# Altium PCB SP7.PcbDoc (part 1 of 4)
Units mm, origin at the board's own origin, x right, y up, seen from the top; angles counter-clockwise.
Board outline 69.1 x 36.6 mm, 6 copper layers (Top, 02_GND, 03_SIG, 04_PWR, 05_SIG, Bottom), stack 1.443 mm thick; 199 components, 178 nets, 906 pads, 778 vias.
Unrouted connection lines stored in the file: 1.
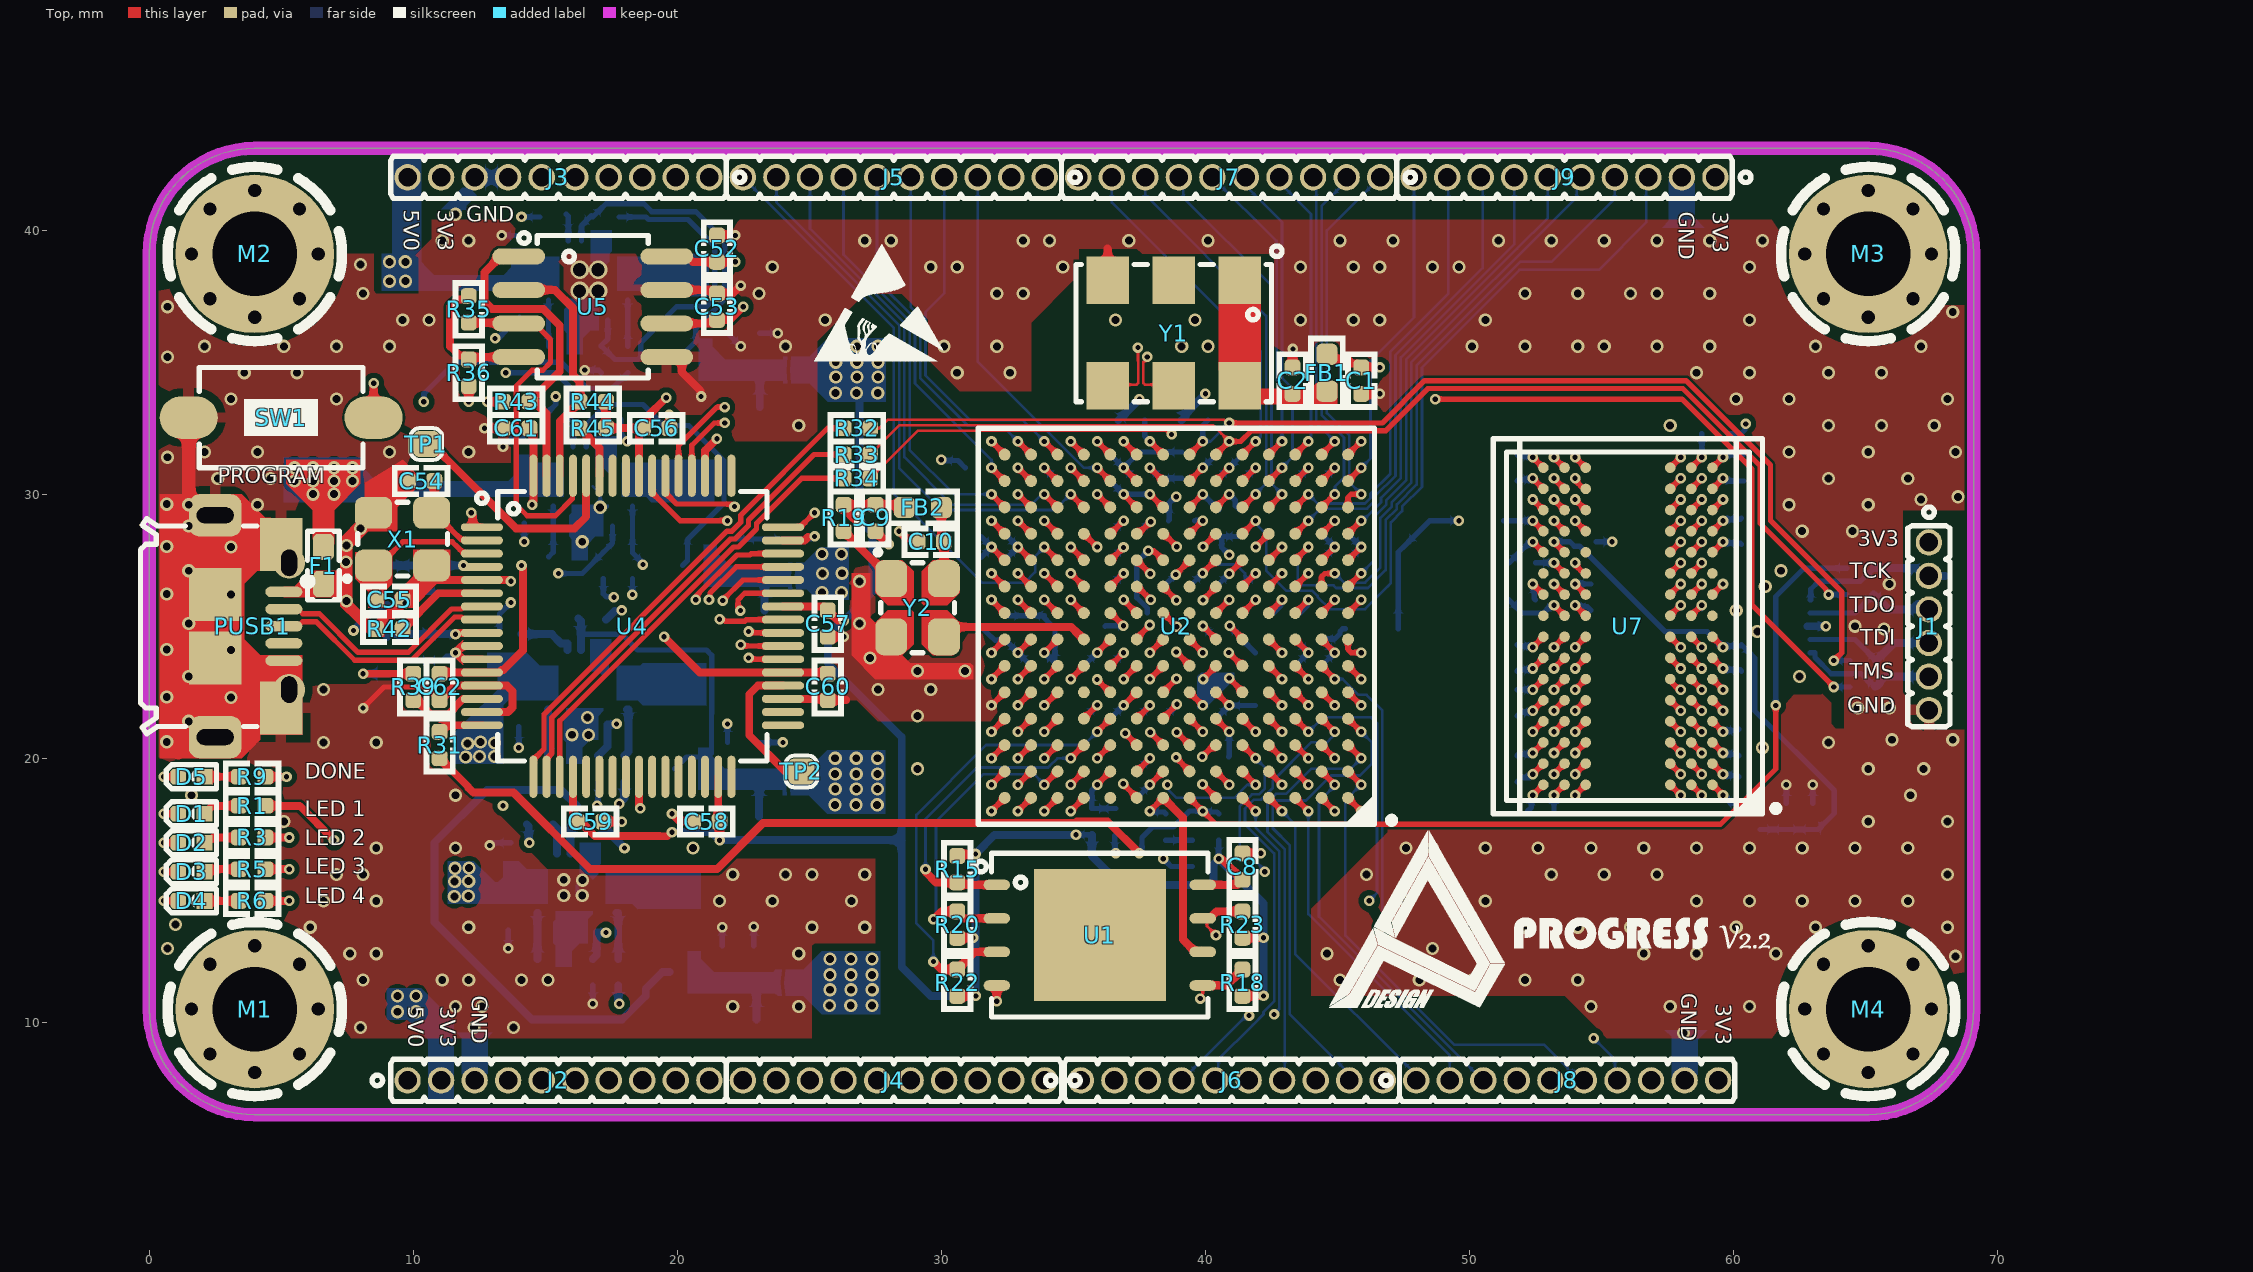
[diagram p0: Top view]
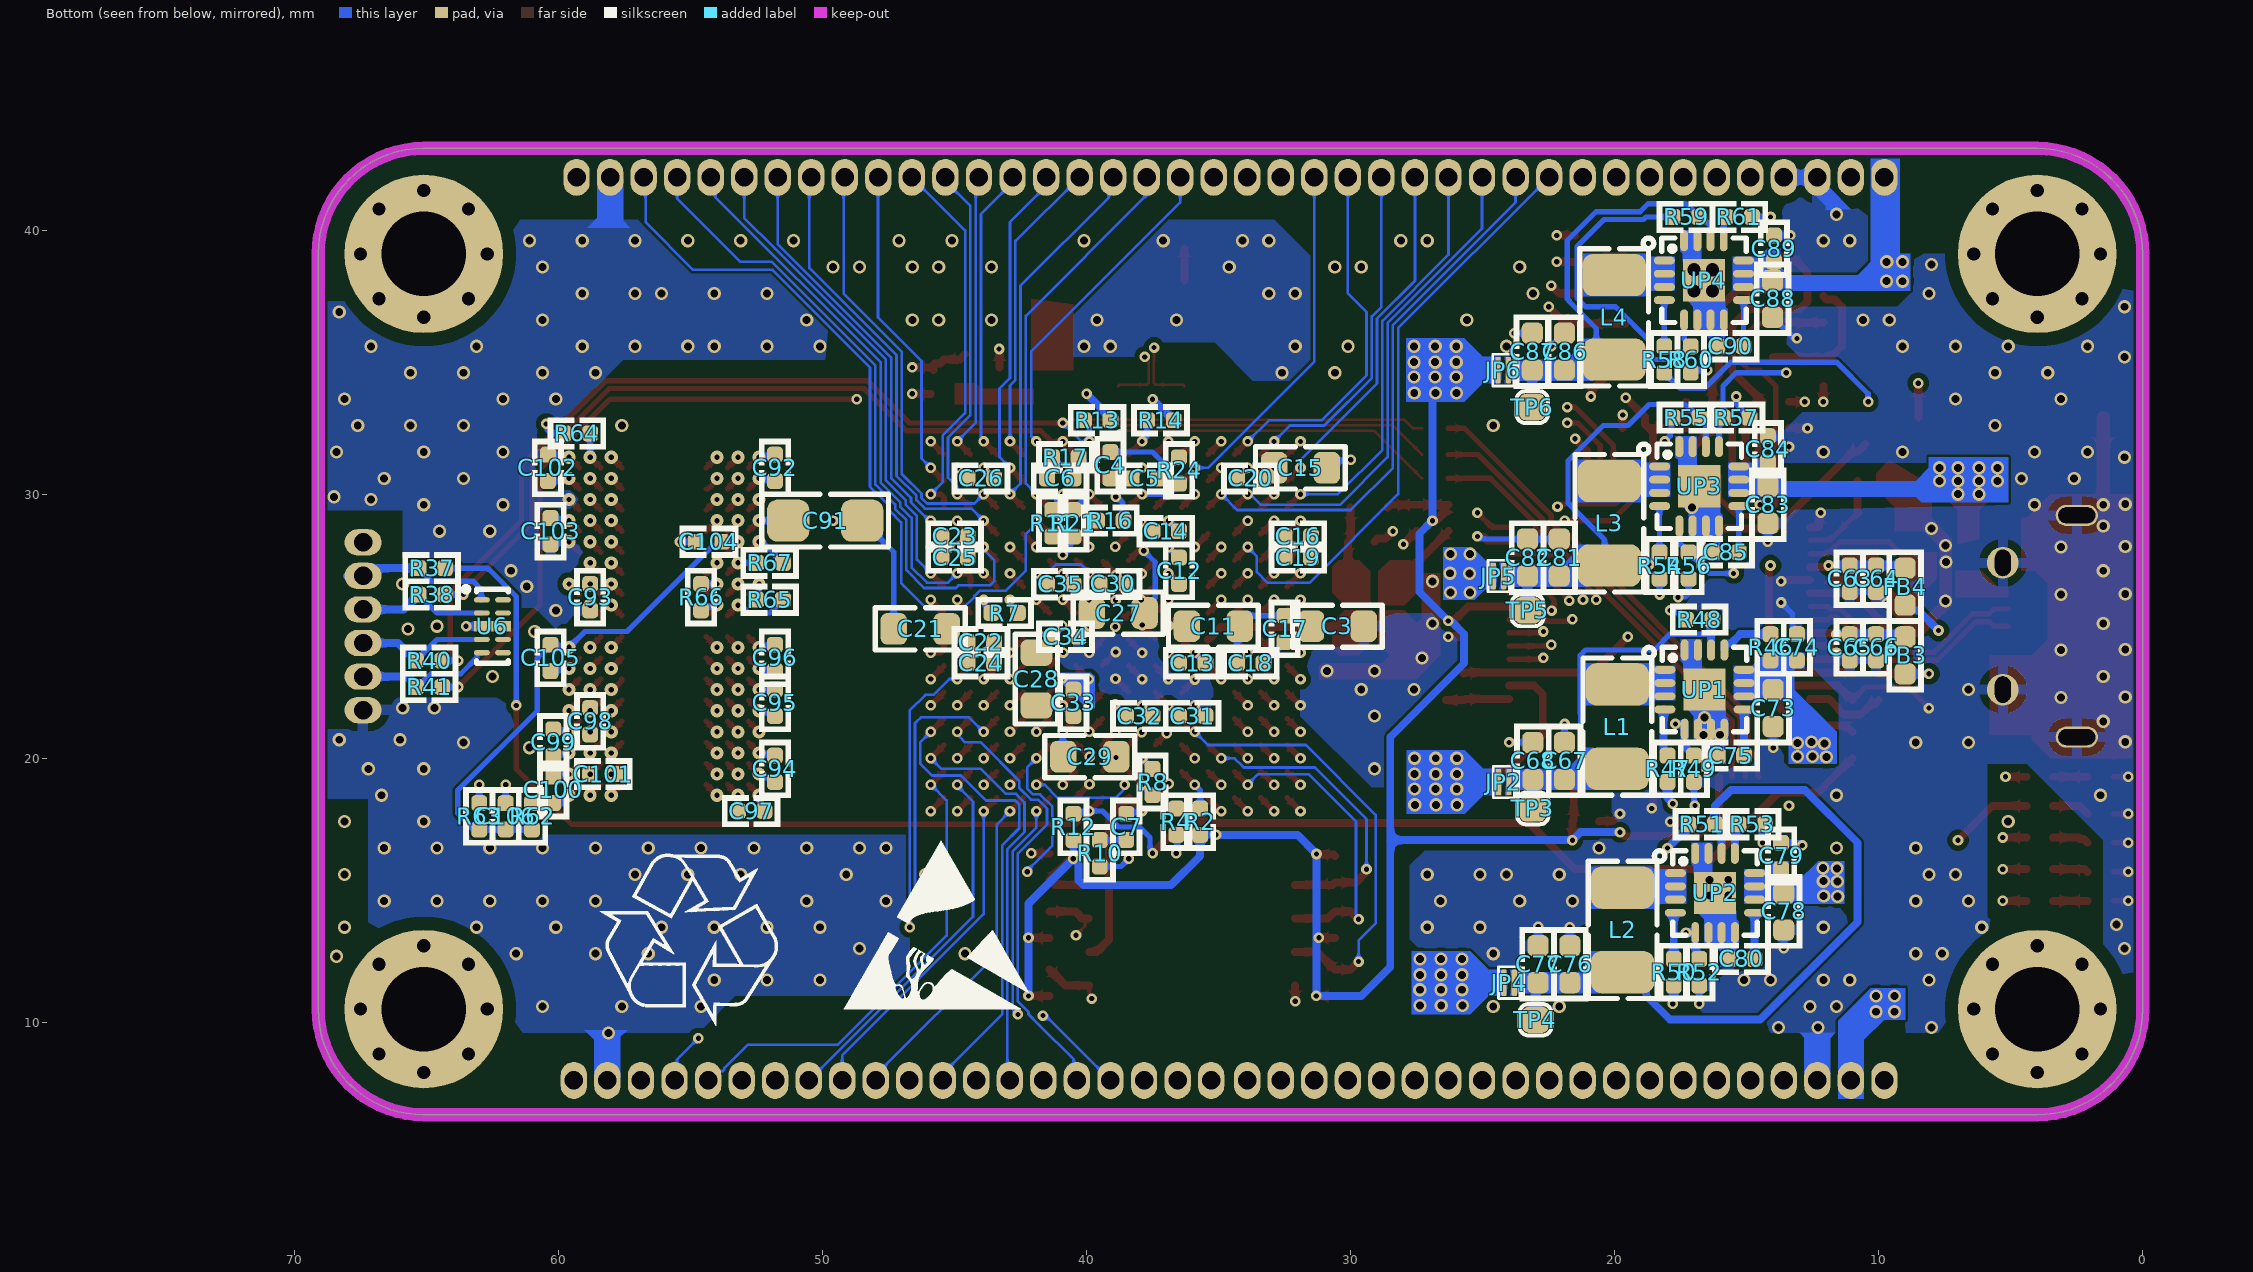
[diagram p1: Bottom view, seen from below]
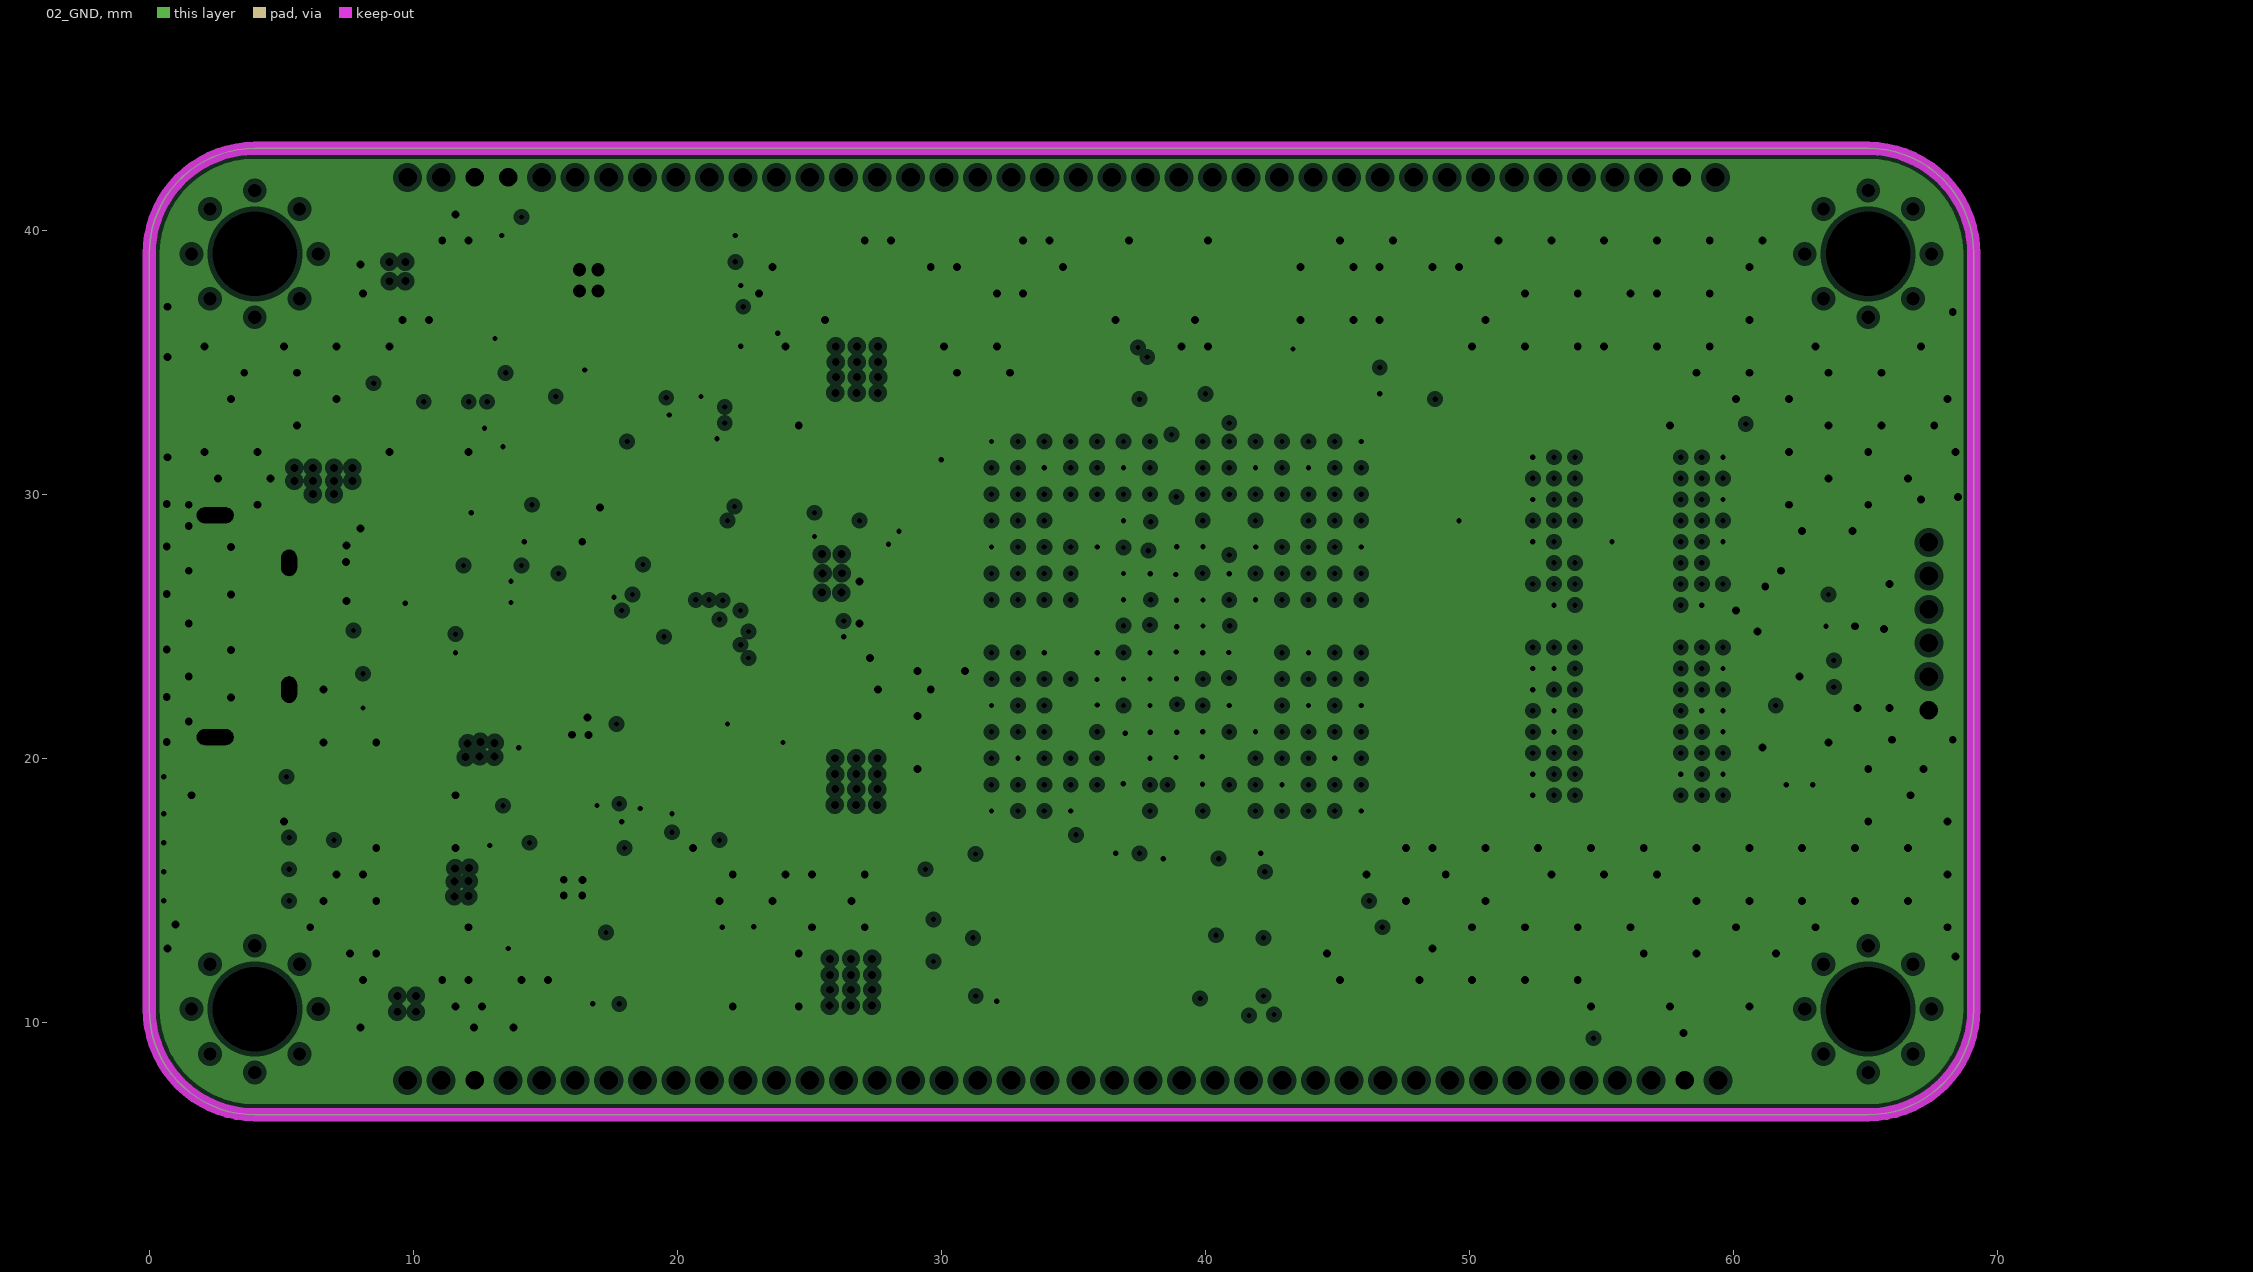
[diagram p2: 02_GND, clearances drawn from the general rule]
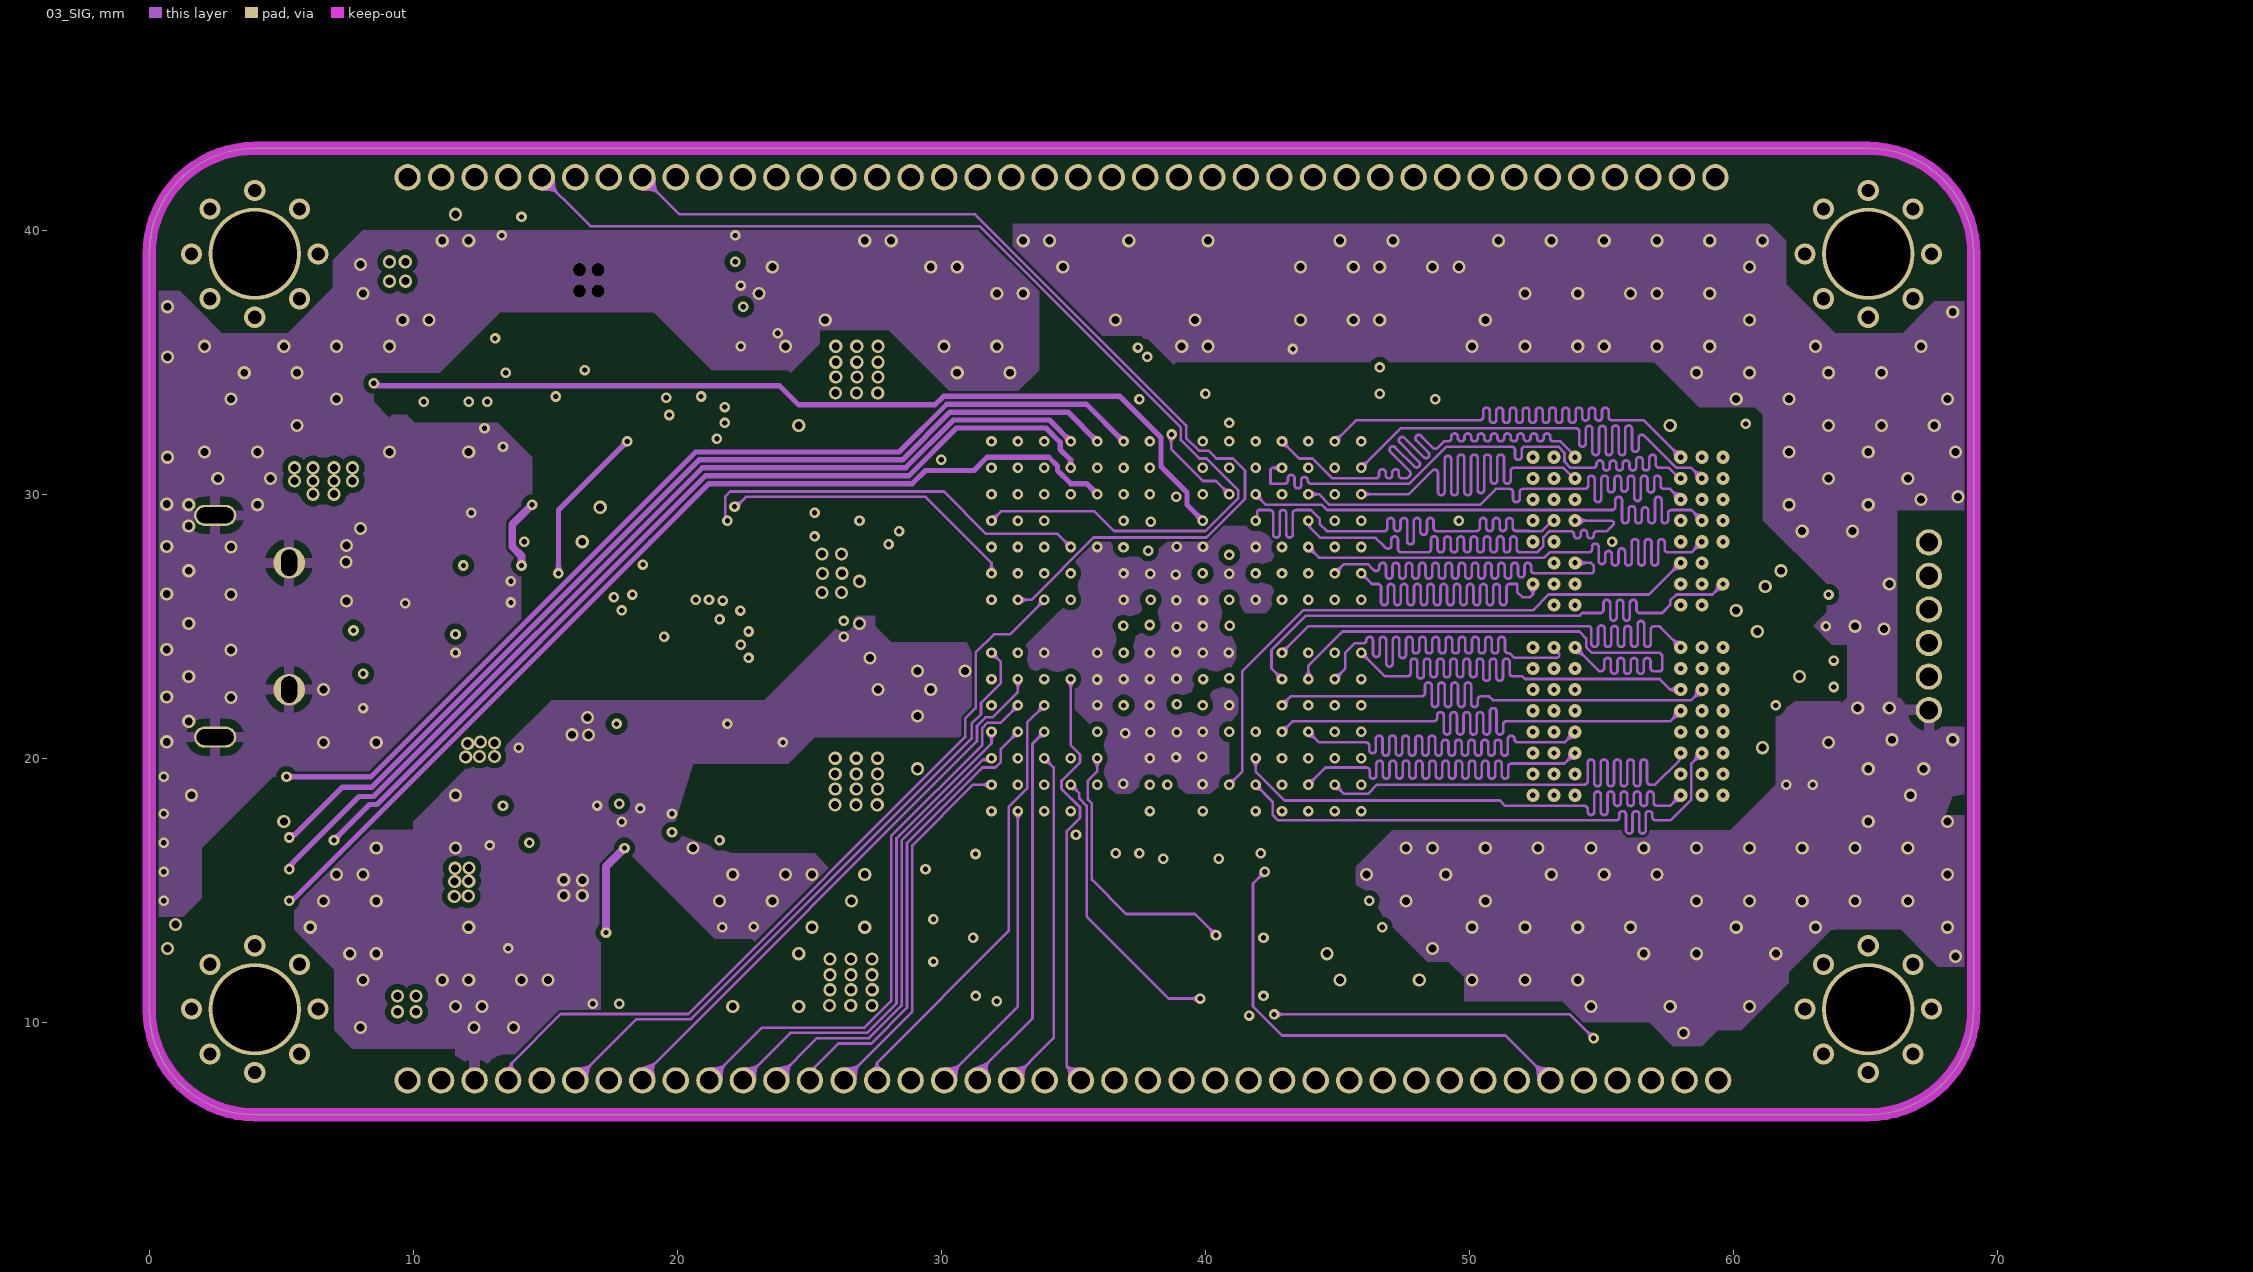
[diagram p3: 03_SIG]